# Altium PCB MCU021_V1.0_PCB.PcbDoc (part 1 of 3) (continued)
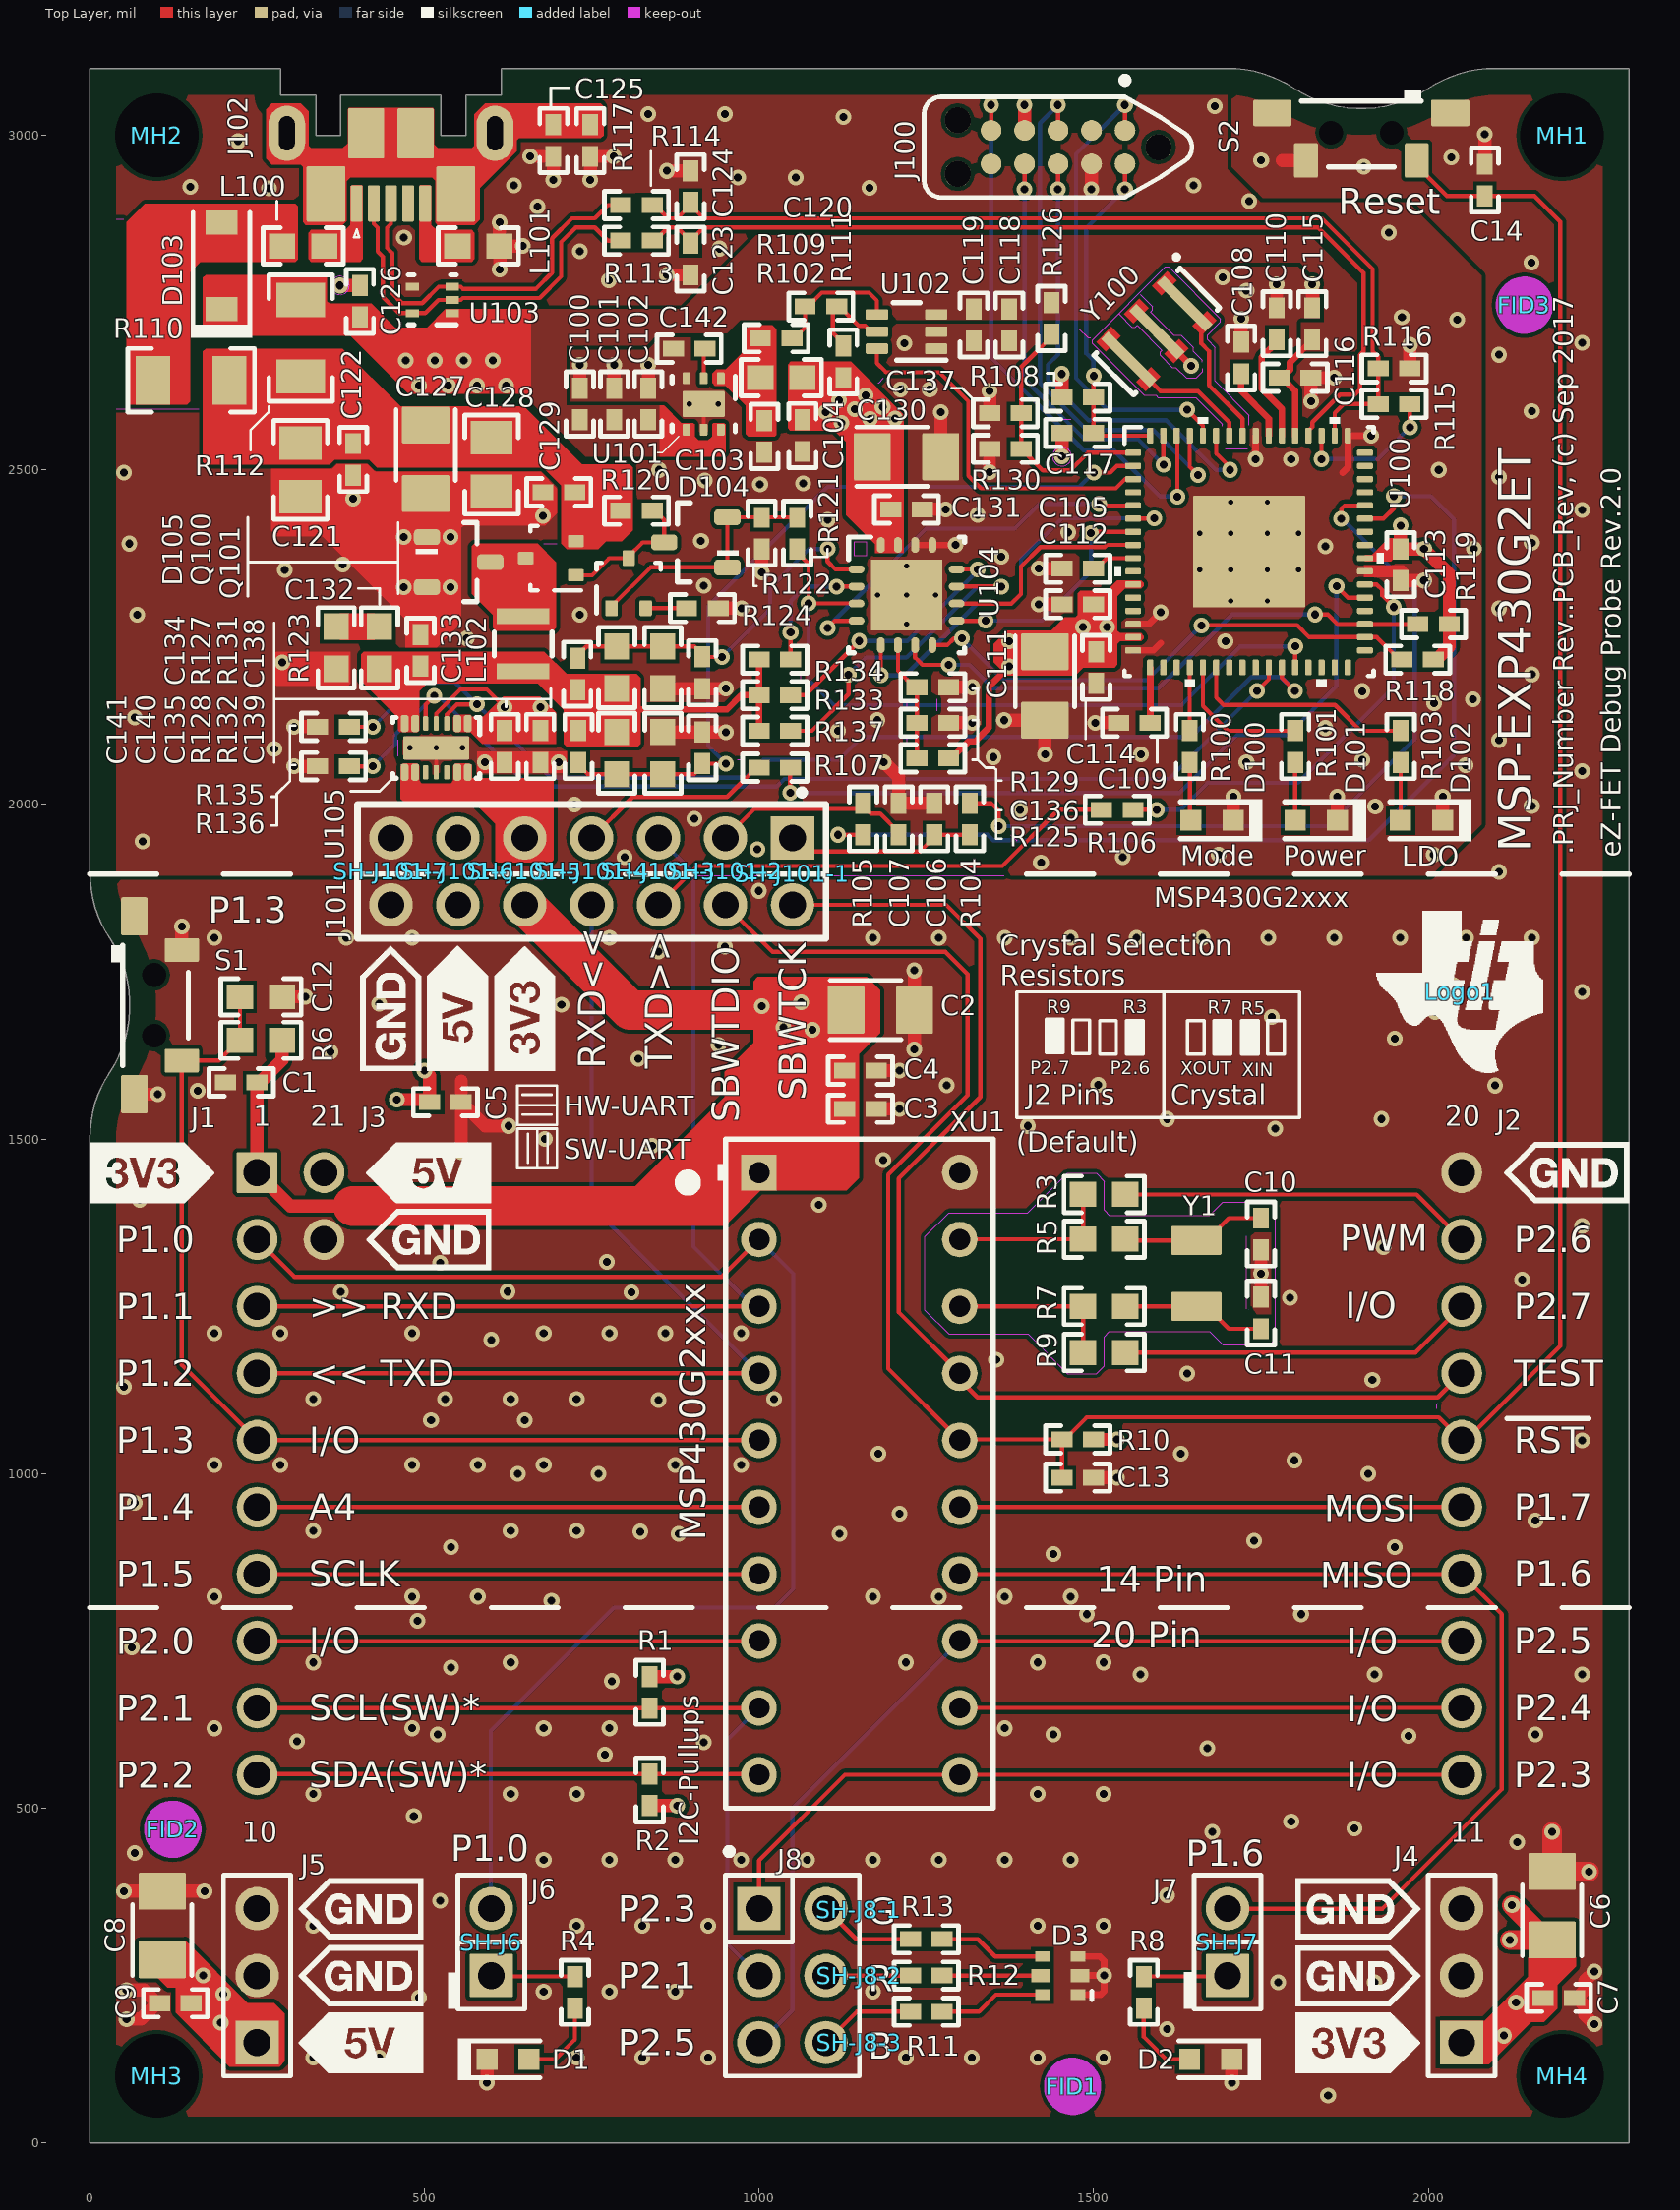
[diagram p0: Top Layer view]
## Design rules (kind name [scope] priority, off if disabled: settings)
AcuteAngle [All] p1: minimum=4.49000000000000E+0001 checktracksonly=FALSE
AssemblyTestPointUsage [All] p1: valid=2
BoardOutlineClearance BoardOutlineClearance_MountingHoles [InComponentClass('Mounting Holes')] p1: gap=35.43 ignorepadtopadclearanceinfootprint=FALSE
BoardOutlineClearance BoardOutlineClearance_Poly [OnCopper and InPoly] p2: gap=25.59 ignorepadtopadclearanceinfootprint=FALSE
BoardOutlineClearance BoardOutlineClearance_EdgeComponents [InComponent('J102') or InComponent('S1')or InComponent('S2')] p3: gap=7.87 ignorepadtopadclearanceinfootprint=FALSE except(0: Track-OutlineEdge Fill-OutlineEdge) // For placing of components on the edge
BoardOutlineClearance [OnCopper and Not InComponentClass('Logo') and not InComponentClass('FiducialMark') and not InRegion(1000,500,4000,800) and not InComponent('H1') and not InComponent('H2')] p4: gap=39.37 ignorepadtopadclearanceinfootprint=FALSE except(9.84: Region-OutlineEdge)
Clearance Clearance_Keepouts [((IsTrack Or IsArc) And Not InPoly) And IsFree and IsKeepOut vs ((IsTrack Or IsArc) And Not InPoly) And IsFree and IsKeepOut] p1: gap=0 ignorepadtopadclearanceinfootprint=FALSE // Between free Keepouts
Clearance Clearance_Fiducials [InComponentClass('FiducialMark') vs InComponentClass('FiducialMark')] p2: gap=0 ignorepadtopadclearanceinfootprint=FALSE // Tolerances for primitives of fiducial marks
Clearance Clearance_Poly [InPolygon] p3: gap=5.91 ignorepadtopadclearanceinfootprint=FALSE except(0: Arc-Hole Track-Hole SMDPad-Hole THPad-Hole Via-Hole Fill-Hole Poly-Hole Region-Hole Text-Hole) // Polygon to all other stuff (incl. other polygons)
Clearance [All] p4: gap=5.91 ignorepadtopadclearanceinfootprint=FALSE except(0: Arc-Hole Track-Hole SMDPad-Hole THPad-Hole Via-Hole Fill-Hole Poly-Hole Region-Hole Text-Hole)
ComponentClearance ComponentClearance_Standoffs [InComponentClass('Mounting Holes') vs InComponentClass('MCU021_V1.0_MSP-EXP430G2ET_Hardware')] p1: gap=0 collisioncheckmode=3 verticalgap=0 showdistances=FALSE
ComponentClearance ComponentClearance_MountingHoles_FiducialMarks [InComponentClass('Mounting Holes') vs InComponentClass('FiducialMark')] p2: gap=49.21 collisioncheckmode=3 verticalgap=9.84 showdistances=FALSE
ComponentClearance ComponentClearance_Shunt [InComponentClass('Header') vs InComponentClass('Shunt')] p3: gap=0 collisioncheckmode=3 verticalgap=0 showdistances=FALSE
ComponentClearance ComponentClearance_Logo [InComponentClass('Logo')] p4: gap=49.21 collisioncheckmode=3 verticalgap=9.84 showdistances=FALSE
ComponentClearance ComponentClearance_ScrewToNut [(HasFootprint('NY PMS 440 0025 PH')) vs (HasFootprint('Keystone_1902C'))] p5: gap=4.92 collisioncheckmode=3 verticalgap=9.84 showdistances=FALSE
ComponentClearance ComponentClearance_MountingHoles [InComponentClass('Mounting Holes')] p6: gap=19.68 collisioncheckmode=3 verticalgap=100000 showdistances=FALSE
ComponentClearance ComponentClearance_SmallPassives [HasFootprint('0201*') or HasFootprint('0402*') or HasFootprint('0508') or HasFootprint('0603*') or HasFootprint('0612') or HasFootprint('0805*') or HasFootprint('0815*') or HasFootprint('0830*') or HasFootprint('1206*') or HasFootprint('1210*') or HasFootprint('1808*') or HasFootprint('1812*') or HasFootprint('1825*') or HasFootprint('2010*') or HasFootprint('2220*') or HasFootprint('2225*') or HasFootprint('2512*') or HasFootprint('2728*') or HasFootprint('3518*') or HasFootprint('3216*') vs HasFootprint('0201*') or HasFootprint('0402*') or HasFootprint('0508') or HasFootprint('0603*') or HasFootprint('0612') or HasFootprint('0805*') or HasFootprint('0815*') or HasFootprint('0830*') or HasFootprint('1206*') or HasFootprint('1210*') or HasFootprint('1808*') or HasFootprint('1812*') or HasFootprint('1825*') or HasFootprint('2010*') or HasFootprint('2220*') or HasFootprint('2225*') or HasFootprint('2512*') or HasFootprint('2728*') or HasFootprint('3518*') or HasFootprint('3216*')] p7: gap=19.68 collisioncheckmode=3 verticalgap=9.84 showdistances=FALSE
ComponentClearance ComponentClearance_THtoSMT [IsThruComponent vs IsSMTComponent] p8: gap=39.37 collisioncheckmode=3 verticalgap=29.53 showdistances=FALSE
ComponentClearance ComponentClearance_PinHeadToPinhead [HasFootprint('TSW-1*') or HasFootprint('SNT-*') vs HasFootprint('TSW-1*') or HasFootprint('SNT-*')] p9: gap=0 collisioncheckmode=3 verticalgap=0 showdistances=FALSE // Between two pinheader and shunts
ComponentClearance ComponentClearance_BoosterPack_Headers [HasFootprint('Boost*') vs HasFootprint('Boost*')] p10: gap=0 collisioncheckmode=3 verticalgap=0 showdistances=FALSE // Between Boosterpack Headers
ComponentClearance ComponentClearance_THtoTH [IsThruComponent vs IsThruComponent] p11: gap=39.37 collisioncheckmode=3 verticalgap=29.53 showdistances=FALSE
ComponentClearance [All] p12: gap=29.53 collisioncheckmode=3 verticalgap=9.84 showdistances=FALSE
DiffPairsRouting [All] p1: maxlimit=7.43 minlimit=7.43 mostfreqgap=7.43 toplayer_minwidth=6.3 toplayer_maxwidth=6.3 toplayer_prefwidth=6.3 midlayer1_minwidth=6.3 midlayer1_maxwidth=6.3 midlayer1_prefwidth=6.3 midlayer2_minwidth=6.3 midlayer2_maxwidth=6.3 midlayer2_prefwidth=6.3 bottomlayer_minwidth=6.3 bottomlayer_maxwidth=6.3 bottomlayer_prefwidth=6.3 maxuncoupledlength=393.7
FabricationTestPointUsage TestPointUsage [All] p1: valid=2 allowmultiple=FALSE
FabricationTestpoint Testpoint [All] p1: side=3 testpointundercomponent=TRUE minsize=40 maxsize=100 preferedsize=60 minholesize=0 maxholesize=40 preferedholesize=32 testpointgrid=1 allowsidetop=TRUE allowsidebottom=TRUE usegrid=TRUE gridtolerance=0.01
FanoutControl Fanout_LCC [IsLCC] p1: bgadir=Out bgaviamode=Centered fanoutstyle=Auto fanoutdirection=Alternating viagrid=1 // Fanout_LCC (Default Rule)
FanoutControl Fanout_BGA [IsBGA] p2: bgadir=Out bgaviamode=Centered fanoutstyle=Auto fanoutdirection=Alternating viagrid=1 // Fanout_BGA (Default Rule)
FanoutControl Fanout_Default [All] p4: bgadir=Out bgaviamode=Centered fanoutstyle=Auto fanoutdirection=Alternating viagrid=1 // Fanout_Default (Default Rule)
FanoutControl Fanout_Small [(CompPinCount < 5)] p5: bgadir=Out bgaviamode=Centered fanoutstyle=Auto fanoutdirection=OutThenIn viagrid=1 // Fanout_Small (Default Rule)
HoleSize [All] p1: absolutevalues=TRUE maxlimit=255.91 minlimit=7.87 maxpercent=80.000 minpercent=20.000
HoleToHoleClearance [All] p1: gap=9.84 allowstackedmicrovias=TRUE
Length [InNetClass('Xtal')] p1: maxlimit=984.25 minlimit=0
MinimumAnnularRing MinimumAnnularRing_ThermalPadVias [IsVia and InAnyComponent] p1: minimumring=5.91
MinimumAnnularRing [All] p2: minimumring=5.91
MinimumSolderMaskSliver MinimumSolderMaskSliver_Logo [InComponentClass('Logo') vs InComponentClass('Logo')] p1: minsoldermaskwidth=0.59
MinimumSolderMaskSliver [All] p2: minsoldermaskwidth=3.94
PlaneClearance [All] p1: clearance=9.84
PlaneConnect [All] p1: planeconnectstyle=Relief reliefexpansion=9.84 reliefentries=4 reliefconductorwidth=19.68 reliefairgap=9.84
PolygonConnect PolygonConnect_EZFET_VBUS [InNetClass('Power-Net')] p1: connectstyle=Direct reliefconductorwidth=19.68 reliefentries=4 polygonreliefangle="90 Angle" airgapwidth=9.84 // for polygons associated with ezFET-VBus
PolygonConnect [All] p2: connectstyle=Relief reliefconductorwidth=10 reliefentries=4 polygonreliefangle="45 Angle" airgapwidth=10
RoutingCorners [All] p1: cornerstyle=45-Degree minsetback=0 maxsetback=0
RoutingLayers [not IsKeepOut] p1: top layer_v5=TRUE mid layer 1_v5=FALSE mid layer 2_v5=TRUE bottom layer_v5=TRUE
RoutingVias ThermalPadVias [IsVia and InAnyComponent] p1: holewidth=7.87 width=19.68 viastyle="Through Hole" minholewidth=5.91 minwidth=19.68 maxholewidth=11.81 maxwidth=23.62
RoutingVias [All] p2: holewidth=11.81 width=23.62 viastyle="Through Hole" minholewidth=7.87 minwidth=15.75 maxholewidth=23.62 maxwidth=39.37
SMDEntry [All] p1: side=TRUE corner=TRUE anyangle=FALSE
SilkToBoardRegionClearance [Not ((IsComment or IsDesignator) And (Hide <> 'False')) and not InRegion(1000,500,4000,800)] p1:
SilkToSilkClearance SilkToSilkClearance_Pb-FreeLogo [(HasFootprint('Pb-Free_Overlay_Medium') OR HasFootprint('Pb-Free_Overlay_Small')) vs (HasFootprint('Pb-Free_Overlay_Medium') OR HasFootprint('Pb-Free_Overlay_Small'))] p1: silktosilkclearance=0
SilkToSilkClearance [All] p2: silktosilkclearance=3.94
SilkToSolderMaskClearance BottomSilkToComponentPadClearance [IsPad and InAnycomponent vs istrack and OnBottomSilkscreen] p1: minsilkscreentomaskgap=0 clearancetoexposedcopper=TRUE // For bottom silkscreen in upper part of PCB
SilkToSolderMaskClearance SilkToComponentPadClearance [IsPad and InAnycomponent] p2: minsilkscreentomaskgap=3.94 clearancetoexposedcopper=TRUE
SilkToSolderMaskClearance "Silk to Solder Mask Opening" [All] p3: minsilkscreentomaskgap=3.94 clearancetoexposedcopper=FALSE
SolderMaskExpansion [All] p1: expansion=1.97
Width Power [InNetClass('Power-Net')] p1: maxlimit=98.43 minlimit=6.3 preferedwidth=19.68
Width [All] p2: maxlimit=98.43 minlimit=6.3 preferedwidth=6.3 toplayer_maxwidth=19.29 bottomlayer_maxwidth=19.29 minimp=50.000000 maximp=50.000000 favimp=50.000000 checkconnectedcopper=TRUE
11 further rules are at their usual default settings.

## Classes and differential pairs
component class FiducialMark: FID1 FID2 FID3
component class "Mounting Holes": MH1 MH2 MH3 MH4
component class AssemblyNote: ZZ2 ZZ3 ZZ4 ZZ5 ZZ6 ZZ7
component class MCU021_V1.0_Hardware: "CE LOGO1" "ESD Logo1" FID1 FID2 FID3 H1 H2 Logo1 Logo3 MH1 MH2 MH3 MH4 "RoHS Logo1" SH-J6 SH-J7 SH-J8-1 SH-J8-2 SH-J8-3 SH-J101-1 SH-J101-2 SH-J101-3 SH-J101-4 SH-J101-5 SH-J101-6 SH-J101-7 "TI Logo 1" ZZ2 ZZ3 ZZ4 ZZ5 ZZ6
component class Logo: Logo1 "TI Logo 1"
component class Header: J4 J5 J6 J7 J8 J101
component class MCU021_V1.0_eZFET_DCDC: C127 C128 C129 C130 C131 C132 C133 C134 C135 C136 C137 C138 C139 C140 C141 D104 D105 L102 Q100 Q101 R118 R119 R120 R121 R122 R123 R124 R125 R126 R127 R128 R129 R130 R131 R132 R133 R134 R135 R136 R137 U104 U105
component class MCU021_V1.0_ezFET_Host: C100 C101 C102 C103 C104 C105 C106 C107 C108 C109 C110 C111 C112 C113 C114 C115 C116 C117 C118 C119 C120 C121 C122 C123 C124 C125 C126 C142 D100 D101 D102 D103 J100 J101 J102 L100 L101 R100 R101 R102 R103 R104 R105 R106 R107 R108 R109 R110 R111 R112 R113 R114 R115 R116 R117 U100 U101 U102 U103 Y100
component class MCU021_V1.0_Target_Device: C1 C2 C3 C4 C5 C6 C7 C8 C9 C10 C11 C12 C13 C14 D1 D2 D3 J1 J2 J3 J4 J5 J6 J7 J8 R1 R2 R3 R4 R5 R6 R7 R8 R9 R10 R11 R12 R13 S1 S2 XU1 Y1 ZZ7
component class Shunt: SH-J6 SH-J7 SH-J8-1 SH-J8-2 SH-J8-3 SH-J101-1 SH-J101-2 SH-J101-3 SH-J101-4 SH-J101-5 SH-J101-6 SH-J101-7
net class Power-Net: 3.3V 5.0V EZ_GND EZFET_5V EZFET_LDOOUT EZFET_VBUS EZFET_VCC EZFET_VCCOUT EZFET_VCCTARGET GND NetD103_2 NetD105_3
differential pair EZFET_D: +EZFET_D_P -EZFET_D_N
differential pair USB_D: +USB_D_P -USB_D_N

## Components (designator, comment, footprint, x,y, rotation, side; value= is the part's Value field where it differs from the comment)
C1 "0.1uF" 0402 226.38,1584.65 r180 top
C2 "10uF" 3216-18 1181.1,1692.91 r0 top
C3 "1uF" 0402 1151.57,1545.28 r0 top
C4 "0.1uF" 0402 1151.57,1602.36 r0 top
C5 "0.1uF" 0402 531.5,1555.12 r0 top
C6 "2.2uF" 3216-18 2185.04,354.33 r90 top
C7 "0.01uF" 0402 2194.88,216.54 r0 top
C8 "2.2uF" 3216-18 108.27,324.8 r90 top
C9 "0.01uF" 0402 127.95,208.66 r180 top
C10 "12pF" 0402 1750,1358.27 r270 top
C11 "12pF" 0402 1750,1240.16 r90 top
C12 "1000pF" 0603 255.91,1712.6 r0 top
C13 "1000pF" 0402 1476.38,994.09 r0 top
C14 "1000pF" 0402 2084.65,2933.07 r90 top
C100 "1uF" 0402 732.28,2598.43 r90 top
C101 "0.1uF" 0402 783.46,2598.43 r90 top
C102 "0.01uF" 0402 834.65,2598.43 r90 top
C103 "2.2uF" 0402 1008,2550 r270 top
C104 "1uF" 0402 1064.96,2551.18 r270 top
C105 "0.1uF" 0402 1476.38,2352.36 r180 top
C106 "10pF" 0402 1261.81,1978.35 r270 top
C107 "10pF" 0402 1208.66,1978.35 r270 top
C108 "0.22uF" 0402 1720.47,2667.32 r90 top
C109 "0.47uF" 0402 1561.02,2122.05 r0 top
C110 "0.22uF" 0402 1773.62,2718.5 r90 top
C111 "4.7uF" 3216-18 1427.17,2177.17 r270 top
C112 "1uF" 0402 1476.38,2299.21 r180 top
C113 "0.1uF" 0402 1958.66,2358.27 r270 top
C114 "0.1uF" 0402 1503.94,2204.72 r270 top
C115 "4.7uF" 0402 1826.77,2718.5 r90 top
C116 "0.1uF" 0402 1801.18,2637.8 r0 top
C117 "1000pF" 0402 1476.38,2555.12 r180 top
C118 "0.1uF" 0402 1374.02,2716.54 r270 top
C119 "10pF" 0402 1320.87,2716.54 r270 top
C120 "1000pF" 0402 1092.52,2744.09 r0 top
C121 "4.7uF" 0805_HV 314.96,2500 r270 top
C122 "0.1uF" 0402 393.7,2515.75 r270 top
C123 "10pF" 0402 897.64,2814.96 r270 top
C124 "10pF" 0402 897.64,2923.23 r90 top
C125 "0.22uF" 0402 692.91,2992.13 r270 top
C126 "0.1uF" 0402 403.54,2751.97 r90 top
C127 "2.2uF" 3216-18 501.97,2515.75 r270 top
C128 "4.7uF" 0805_HV 600.39,2507.87 r270 top
C129 "0.1uF" 0402 700.79,2466.54 r180 top
C130 "4.7uF" 3216-18 1220.47,2519.68 r0 top
C131 "0.1uF" 0402 1220.47,2440.94 r0 top
C132 "4.7uF" 0603 433.07,2234.25 r90 top
C133 "0.1uF" 0402 494.09,2230.31 r90 top
C134 "33pF" 0402 728.35,2194.88 r90 top
C135 "33pF" 0402 730.32,2086.61 r270 top
C136 "33pF" 0402 1259.84,2122.05 r0 top
C137 "33pF" 0402 1368.11,2584.65 r180 top
C138 "33pF" 0402 915.35,2196.85 r270 top
C139 "33pF" 0402 915.35,2084.65 r90 top
C140 "1uF" 0402 673.23,2086.61 r270 top
C141 "0.1uF" 0402 620.08,2086.61 r90 top
C142 "0.01uF" 0402 895.67,2681.1 r180 top
"CE LOGO1" "CE Mark" CE_Mark_5mm 1670,590 r180 bottom
D1 "150060VS75000" WL-SMCW_GREEN 625,125 r0 top value=Green
D2 "150060RS75000" WL-SMCW_RED 1675,125 r180 top value=Red
D3 "19-337/R6GHBHC-A01/2T" 19-337_RGB 1450,250 r180 top value=Rgb
D100 "150060RS75000" WL-SMCW_RED 1677.17,1976.38 r180 top value=Red
D101 "150060VS75000" WL-SMCW_GREEN 1832.68,1976.38 r180 top value=Green
D102 "150060YS75000" WL-SMCW_YELLOW 1990.16,1976.38 r180 top value=Yellow
D103 "B0530W-7-F" SOD-123 196.85,2805.12 r90 top value=30V
D104 "BAS40-05,215" SOT-23 905.51,2391.73 r180 top value=40V
D105 "BAS40-05,215" SOT-23 551.18,2362.2 r0 top value=40V
"ESD Logo1" "ESD Susceptible" ESD_Overlay_Medium 1692.91,1043.31 r180 bottom
FID1 "Fiducial" Fiducial6.4-20 1468.5,84.65 r0 top
FID2 "Fiducial" Fiducial6.4-20 124.02,468.5 r0 top
FID3 "Fiducial" Fiducial6.4-20 2143.7,2746.06 r0 top
H1 "MAE-10" KY_MAE-10 100,3000 r180 bottom
H2 "MAE-10" KY_MAE-10 2200,3000 r180 bottom
J1 "SSQ-110-03-F-S" BoosterPack_20pin_J1 250,1000 r180 bottom locked
J2 "SSQ-110-03-F-S" BoosterPack_20pin_J2 2050,1000 r180 bottom locked
J3 "SSQ-102-03-F-S" BoosterPack_20pin_J3 350,1400 r180 bottom locked
J4 "PEC03SAAN" PEC03SAAN_Launchpad_3V3 2050,250 r90 top locked
J5 "PEC03SAAN" PEC03SAAN_Launchpad_5V0 250,250 r90 top locked
J6 "TSW-102-07-G-S" TSW-102-07-G-S 600,300 r90 top
J7 "TSW-102-07-G-S" TSW-102-07-G-S 1700,300 r90 top
J8 "TSW-103-07-G-D" TSW-103-07-G-D 1050,250 r270 top
J100 "TC2050-IDC-NL-FP" Tag_TC2050-NL 1446.85,2982.28 r270 top
J101 "PEC07DAAN" PEC07DAAN_Launchpad_EZ-FET 750,1900 r180 top locked
J102 "1051640001" Molex_1051640001 450,3060 r180 top locked
L100 "150 ohm" 0603 318.9,2834.65 r180 top
L101 "150 ohm" 0603 580.71,2834.65 r0 top
L102 "2.2uH" CBC2518 647.64,2240.16 r270 top
Logo1 "Texas Instruments" TI_Symbol_Overlay_Medium 2047.24,1720.47 r0 top
Logo3 "FCC disclaimer" FCC_disclaimer 1149.61,62.99 r180 bottom
MH1 "MTG_NoPads" NPTH125mil 2200,3000 r0 top
MH2 "MTG_NoPads" NPTH125mil 100,3000 r0 top
MH3 "MTG_NoPads" NPTH125mil 100,100 r0 top
MH4 "MTG_NoPads" NPTH125mil 2200,100 r0 top
Q100 "DMG1013UW-7" SOT-323 688.98,2368.11 r180 top value=-20V
Q101 "BC850CW,115" SOT-323 805.12,2330.71 r90 top value="45 V"
R1 "4.7k" 0402 836.61,673.23 r270 top
R2 "4.7k" 0402 836.61,527.56 r90 top
R3 "0" 0603 1515.75,1417.32 r0 top
R4 "390" 0402 725,225 r90 top
R5 "0" 0603 1515.75,1350.39 r0 top
R6 "47.0k" 0603 255.91,1647.64 r0 top
R7 "0" 0603 1515.75,1250 r0 top
R8 "470" 0402 1575,225 r270 top
R9 "0" 0603 1515.75,1181.1 r0 top
R10 "47k" 0402 1476.38,1051.18 r0 top
R11 "24" 0402 1250,196.06 r0 top
R12 "110" 0402 1250,250 r0 top
R13 "16" 0402 1250,304.33 r0 top
R100 "470" 0402 1643.7,2086.61 r90 top
R101 "390" 0402 1801.18,2086.61 r90 top
R102 "0.2" 0603 1033.46,2637.8 r0 top
R103 "390" 0402 1958.66,2086.61 r90 top
R104 "10.0" 0402 1314.96,1978.35 r270 top
R105 "10.0" 0402 1155.51,1978.35 r90 top
R106 "10.0" 0402 1535.43,1992.13 r0 top
R107 "10.0" 0402 1023.62,2055.12 r180 top
R108 "47k" 0402 1476.38,2608.27 r180 top
R109 "10.0" 0402 1025.59,2696.85 r0 top
R110 "0" 1206 151.57,2633.86 r180 top
R111 "10.0" 0402 1125.98,2661.42 r90 top
R112 "0" 1206 314.96,2696.85 r270 top
R113 "27" 0402 816.93,2842.52 r0 top
R114 "27" 0402 816.93,2895.67 r0 top
R115 "1.40k" 0402 1948.82,2598.43 r0 top locked
R116 "1.0Meg" 0402 1948.82,2651.57 r180 top locked
R117 "33k" 0402 748.03,2992.13 r90 top
R118 "4.7k" 0402 1984.25,2216.54 r0 top
R119 "4.7k" 0402 2007.87,2269.68 r0 top
R120 "470" 0402 816.93,2438.98 r180 top
R121 "820" 0402 1057.09,2405.51 r90 top
R122 "1.00Meg" 0402 1003.94,2405.51 r90 top
R123 "0.047" 0603 368.11,2234.25 r90 top
R124 "0" 0402 915.35,2293.31 r180 top
R125 "220k" 0402 1259.84,2068.9 r0 top
R126 "240k" 0402 1437.01,2726.38 r90 top
R127 "220k" 0603 787.4,2204.72 r270 top
R128 "220k" 0603 787.4,2076.77 r90 top
R129 "220k" 0402 1259.84,2175.2 r180 top
R130 "150k" 0402 1368.11,2531.5 r0 top
R131 "220k" 0603 856.3,2204.72 r90 top
R132 "220k" 0603 856.3,2076.77 r270 top
R133 "2.20k" 0402 1023.62,2163.39 r180 top
R134 "3.30k" 0402 1023.62,2216.54 r180 top
R135 "47k" 0402 364.17,2116.14 r0 top
R136 "47k" 0402 364.17,2057.09 r0 top
R137 "6.81k" 0402 1023.62,2110.24 r180 top
"RoHS Logo1" "Pb-Free Symbol" Pb-Free_Overlay_Medium 629.92,748.03 r180 bottom
S1 "1188E-1K2-V-TR" SW_1188E 110,1700 r0 top locked
S2 "1188E-1K2-V-TR" SW_1188E 1900,2990 r270 top locked
SH-J6 "Place J6: 1-2" SNT-100-BK-G 600,300 r90 top value=1x2
SH-J7 "Place J7: 1-2" SNT-100-BK-G 1700,300 r90 top value=1x2
SH-J8-1 "Place on Pin 2 only" SNT-100-BK-G 1149.61,348.43 r180 top value=1x2
SH-J8-2 "Place on Pin 4 only" SNT-100-BK-G 1150,250 r180 top value=1x2
SH-J8-3 "Place on Pin 6 only" SNT-100-BK-G 1150,149.61 r180 top value=1x2
SH-J101-1 "Place J101: 1-2" SNT-100-BK-G 1050,1896.85 r90 top value=1x2
SH-J101-2 "Place J101: 3-4" SNT-100-BK-G 950,1900 r90 top value=1x2
SH-J101-3 "Place J101: 5-6" SNT-100-BK-G 850,1900 r90 top value=1x2
SH-J101-4 "Place J101: 7-8" SNT-100-BK-G 750,1900 r90 top value=1x2
SH-J101-5 "Place J101: 9-10" SNT-100-BK-G 650,1900 r90 top value=1x2
SH-J101-6 "Place J101: 11-12" SNT-100-BK-G 550,1900 r90 top value=1x2
SH-J101-7 "Place J101: 13-14" SNT-100-BK-G 450,1900 r90 top value=1x2
"TI Logo 1" "Texas Instruments" TI_Horizontal_Overlay_Medium 1234.25,1649.61 r180 bottom
U100 "MSP430F5528IRGCT" RGC0064B 1732.28,2377.95 r0 top
U101 "TPS73533DRVR" DRV0006A 917.32,2598.43 r270 top
U102 "INA214AIDCKR" DCK0006A_N 1220.47,2706.69 r180 top
U103 "TPD2E001DRLR" DRL0005A 511.81,2753.94 r180 top
U104 "MSP430G2452IRSA16R" RSA0016B 1220.47,2312.99 r0 top
U105 "TPS22968NDPUR" DPU0014A 517.72,2084.65 r270 top
XU1 "110-44-320-41-001000" Mill-Max_110-xx-320-41-001000 1150,1000 r0 top locked
Y1 "ECS-.327-12.5-34B-TR" ECS_ECX_31B 1653.54,1299.21 r90 top
Y100 "CSTCR4M00G15L99-R0" Murata_CSTCR 1594.49,2706.69 r225 top
ZZ2 "These assemblies are ESD sensitive, ESD precautions shall be observed." AssemblyNote 54.11,4033.98 r0 top
ZZ3 "These assemblies must be clean and free from flux and all contaminants. Use of no clean flux is not acceptable." AssemblyNote 54.11,3935.56 r0 top
ZZ4 "These assemblies must comply with workmanship standards IPC-A-610 Class 2, unless otherwise specified." AssemblyNote 54.11,3837.13 r0 top
ZZ5 "Place the shunts for RGB-LEDs (SH-J8-1, SH-8-2 and SH-J8-3) only on the right pins of J8" AssemblyNote 54.11,3738.71 r0 top
ZZ6 "Place a click-in Standoff (MAE-10, KangYang)  in hole MH1/MH2. Parameters for Standoffs were manually adapted for BOM generation." AssemblyNote 54.11,3640.28 r0 top
ZZ7 "Place the MSP1 device in the XU1 socket, with the pin 1 indicators lined up" AssemblyNote 55.06,3550.91 r0 top
